# Allegro board 6089-119-RevB_08.brd (continued)
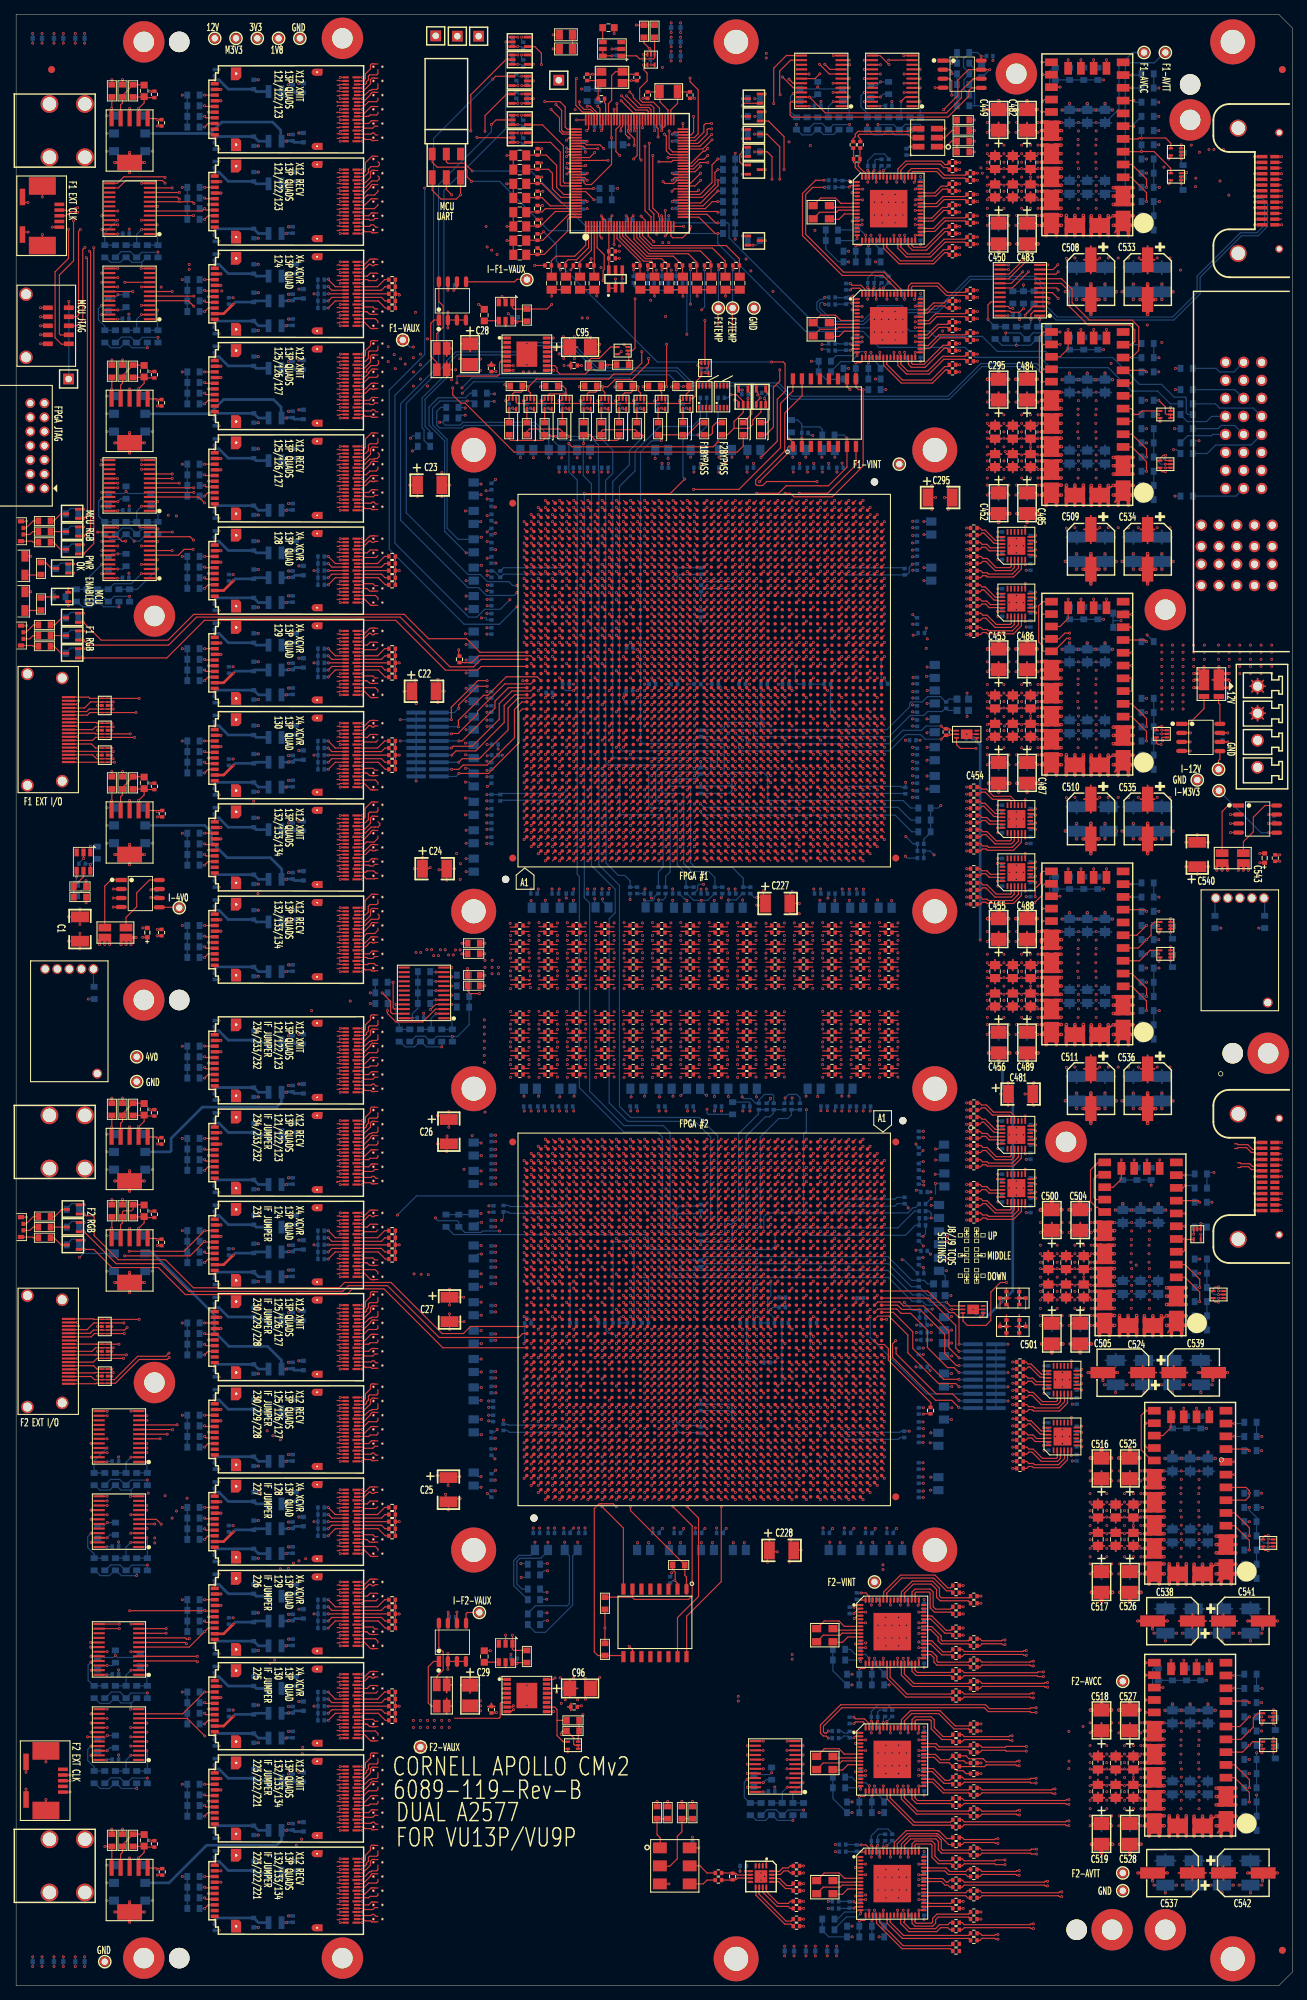
[diagram p0: board, top side]
## Routing (per net, layer and track width the routed paths; a pad name or vN(x,y) marks a point on that pad's centre or on a via; arc(x,y) is an arc through that point) (continued)
NF1_I_RECV3: length 20.6
  TOP w0.165: U75.C5 73.61,162.51 ; 73.69,146.06 74.39,146.06 C61.1
  SIG4 w0.083: 73.61,162.51 73.61,162.79 arc(73.56,162.9) 73.45,162.95 73.3,162.95 arc(73.23,162.92) 73.2,162.85 73.2,153.77 arc(73.42,152.64) 74.06,151.69 74.53,151.22 arc(74.92,150.63) 75.06,149.94 75.06,146.96 arc(74.87,146.49) 74.4,146.3 74.25,146.3 arc(73.95,146.24) 73.7,146.07 73.69,146.06
NF1_I_XMIT0: length 42.4
  TOP w0.165: 73.69,129.23 74.38,129.23 C72.2 ; U75.D8 74.61,165.51
  SIG3 w0.083: 73.69,129.23 73.9,129.02 arc(73.92,129.01) 73.95,129 74.7,129 arc(75.44,129.3) 75.74,130.04 75.74,153.89 arc(75.8,154.16) 75.95,154.4 arc(75.96,154.4) 75.96,154.41 arc(75.99,154.46) 76,154.51 arc(76,154.6) 76.02,154.68 arc(76.04,154.76) 76.04,154.83 76.04,155.41 75.87,155.58 75.7,155.75 75.7,156.08 75.87,156.25 76.04,156.42 76.04,156.75 75.87,156.92 75.7,157.09 75.7,157.42 75.87,157.59 76.04,157.76 76.04,165.7 arc(75.97,165.87) 75.8,165.94 74.95,165.94 arc(74.71,165.84) 74.61,165.6 74.61,165.51
NF1_I_XMIT1: length 39.3
  TOP w0.165: 73.69,131.73 74.38,131.73 C70.2 ; U75.B8 72.61,165.51
  SIG3 w0.083: 73.69,131.73 73.9,131.52 arc(73.92,131.51) 73.95,131.5 74.25,131.5 arc(74.84,131.75) 75.09,132.34 75.09,152.99 arc(74.95,153.84) 74.54,154.59 arc(74.13,155.34) 73.99,156.19 73.99,156.58 73.82,156.75 73.65,156.92 73.65,157.25 73.82,157.42 73.99,157.59 73.99,157.92 73.82,158.09 73.65,158.26 73.65,158.59 73.82,158.76 73.99,158.93 73.99,165.75 arc(73.93,165.88) 73.8,165.94 73.05,165.94 arc(73.04,165.94) 73.03,165.93 72.61,165.51
NF1_I_XMIT2: length 38.8
  TOP w0.165: U75.C10 73.61,167.51 ; 73.69,133.56 74.39,133.56 C69.2
  SIG3 w0.083: 73.61,167.51 73.61,167.63 arc(73.53,167.81) 73.35,167.89 arc(73.25,167.85) 73.21,167.75 73.21,167.36 arc(73.07,167.01) 72.74,166.85 arc(72.7,166.85) 72.65,166.85 arc(72.51,166.84) 72.39,166.77 arc(72.36,166.76) 72.34,166.74 arc(72.32,166.73) 72.31,166.71 arc(72.23,166.59) 72.2,166.45 72.2,154.63 arc(72.24,154.42) 72.36,154.24 74.24,152.36 arc(74.62,151.79) 74.75,151.13 74.75,134.24 arc(74.62,133.92) 74.3,133.79 73.87,133.79 arc(73.81,133.77) 73.79,133.71 73.79,133.65 arc(73.76,133.59) 73.7,133.56 73.69,133.56
NF1_I_XMIT3: length 40.8
  TOP w0.165: 73.69,136.06 74.39,136.06 C67.2 ; U75.E10 75.61,167.51
  SIG3 w0.083: 75.61,167.51 75.61,167.69 arc(75.55,167.84) 75.4,167.9 arc(75.12,168.02) 75,168.3 75,168.6 arc(74.91,168.81) 74.7,168.9 72.28,168.9 arc(72.22,168.88) 72.2,168.82 72.2,167.4 arc(72.2,167.34) 72.18,167.27 arc(72.14,167.17) 72.06,167.08 arc(72.03,167.06) 71.99,167.03 arc(71.98,167.01) 71.97,167 arc(71.91,166.95) 71.83,166.92 arc(71.77,166.9) 71.7,166.9 71.46,166.9 arc(71.21,166.8) 71.11,166.55 71.11,154.89 arc(71.31,153.87) 71.88,153.02 72.74,152.16 arc(73.12,151.59) 73.25,150.93 73.25,139.56 arc(73.29,139.37) 73.4,139.2 73.81,138.79 arc(74.17,138.25) 74.3,137.6 74.3,136.64 arc(74.2,136.39) 73.95,136.29 73.87,136.29 arc(73.81,136.27) 73.79,136.21 73.79,136.15 arc(73.76,136.09) 73.7,136.06 73.69,136.06
NF1_J_RECV0: length 25.7
  TOP w0.165: 69.69,141.06 70.39,141.06 C49.1 ; U75.A5 71.61,162.51
  SIG4 w0.083: 69.69,141.06 69.79,141.16 arc(69.93,141.26) 70.1,141.29 70.58,141.29 arc(71.05,141.38) 71.45,141.65 arc(71.56,141.82) 71.6,142.02 71.6,156.52 arc(71.48,157.1) 71.16,157.59 arc(71.05,157.76) 71.01,157.95 71.01,162.81 arc(71.04,162.87) 71.1,162.9 71.39,162.9 arc(71.41,162.9) 71.42,162.9 arc(71.55,162.83) 71.61,162.68 71.61,162.51
NF1_J_RECV1: length 42
  TOP w0.165: U75.A19 71.61,176.51 ; 69.69,143.56 70.39,143.56 C47.1
  SIG4 w0.083: 71.61,176.51 71.61,176.7 arc(71.66,176.83) 71.8,176.89 arc(72.08,177.01) 72.2,177.29 72.2,177.6 arc(72.05,177.95) 71.7,178.1 71.22,178.1 arc(70.56,177.97) 70,177.59 67.81,175.41 arc(67.35,174.72) 67.19,173.91 67.19,146.01 arc(67.33,145.32) 67.72,144.73 68.66,143.79 arc(68.76,143.72) 68.88,143.7 69.37,143.7 arc(69.54,143.66) 69.69,143.56
NF1_J_RECV2: length 34
  TOP w0.165: 69.69,146.06 70.39,146.06 C45.1 ; U75.B17 72.61,174.51
  SIG4 w0.083: 69.69,146.06 69.9,146.27 arc(69.92,146.28) 69.95,146.29 70.25,146.29 arc(70.79,146.51) 71.01,147.05 71.01,156.14 arc(70.89,156.74) 70.55,157.25 70.46,157.34 arc(70.12,157.85) 70,158.46 70,174.35 arc(70.16,174.74) 70.55,174.9 72.1,174.9 arc(72.21,174.88) 72.3,174.82 72.61,174.51
NF1_J_RECV3: length 34.5
  TOP w0.165: 69.69,148.56 70.39,148.56 C43.1 ; U75.C19 73.61,176.51
  SIG4 w0.083: 69.69,148.56 69.86,148.73 arc(69.93,148.78) 70,148.79 70.21,148.79 arc(70.41,148.88) 70.5,149.08 70.5,155.52 arc(70.38,156.1) 70.06,156.59 69.81,156.84 arc(69.28,157.64) 69.09,158.57 69.09,164.29 69.2,164.4 69.2,164.73 69.09,164.84 69.09,165.18 69.2,165.29 69.2,165.62 69.09,165.73 69.09,173.57 arc(69.26,174.42) 69.74,175.14 70.07,175.47 arc(70.59,175.82) 71.21,175.94 72.8,175.94 arc(73.08,176.06) 73.2,176.34 73.2,176.7 arc(73.26,176.84) 73.4,176.9 73.5,176.9 arc(73.58,176.87) 73.61,176.79 73.61,176.51
NF1_J_XMIT0: length 44.4
  TOP w0.165: C57.2 70.39,128.56 69.69,128.56 ; U75.A10 71.61,167.51
  SIG3 w0.083: 71.61,167.51 71.61,167.54 arc(71.5,167.79) 71.25,167.9 70.75,167.9 arc(70.33,167.72) 70.15,167.3 70.15,154.57 arc(70.36,153.54) 70.94,152.66 71.37,152.23 arc(71.8,151.59) 71.95,150.83 71.95,133.66 arc(71.95,133.64) 71.95,133.61 arc(71.95,133.59) 71.95,133.57 arc(71.95,133.54) 71.95,133.51 71.95,130.04 arc(71.58,129.16) 70.7,128.79 69.95,128.79 arc(69.92,128.78) 69.9,128.77 69.69,128.56
NF1_J_XMIT1: length 45.8
  TOP w0.165: C55.2 70.39,131.06 69.69,131.06 ; U75.B12 72.61,169.51
  SIG3 w0.083: 69.69,131.06 69.9,131.27 arc(69.92,131.28) 69.95,131.29 70.25,131.29 arc(70.99,131.6) 71.3,132.34 71.3,150.12 arc(71.16,150.84) 70.75,151.45 69.31,152.89 arc(68.5,154.11) 68.21,155.55 68.21,156.21 arc(68.3,156.67) 68.56,157.06 68.74,157.24 arc(69.08,157.75) 69.2,158.35 69.2,168.85 arc(69.52,169.63) 70.3,169.95 72.05,169.95 arc(72.16,169.93) 72.25,169.87 72.61,169.51
NF1_J_XMIT2: length 43
  TOP w0.165: 69.69,136.06 70.39,136.06 C51.2 ; U75.A14 71.61,171.51
  SIG3 w0.083: 69.69,136.06 69.7,136.06 arc(69.76,136.09) 69.79,136.15 69.79,136.21 arc(69.81,136.27) 69.87,136.29 69.95,136.29 arc(70.2,136.39) 70.3,136.64 70.3,137.6 arc(70.17,138.25) 69.81,138.79 69.4,139.2 arc(69.29,139.37) 69.25,139.56 69.25,149.52 arc(69.11,150.24) 68.7,150.85 67.37,152.18 arc(66.84,152.98) 66.65,153.93 66.65,157.31 66.65,157.55 arc(66.67,157.64) 66.72,157.72 66.82,157.82 arc(67.03,158.13) 67.1,158.5 67.1,170.3 arc(67.57,171.43) 68.7,171.9 71.2,171.9 arc(71.22,171.9) 71.23,171.89 71.61,171.51
NF1_J_XMIT3: length 46.4
  TOP w0.165: U75.C14 73.61,171.51 ; C53.2 70.39,133.56 69.69,133.56
  SIG3 w0.083: 69.69,133.56 69.9,133.77 arc(69.92,133.78) 69.95,133.79 70.1,133.79 arc(70.59,134) 70.8,134.49 70.8,139.43 arc(70.8,139.49) 70.79,139.55 arc(70.71,139.81) 70.58,140.04 arc(70.38,140.47) 70.31,140.94 70.31,149.98 arc(70.18,150.64) 69.81,151.19 68.24,152.76 arc(67.66,153.64) 67.45,154.67 67.45,156.62 arc(67.53,157.02) 67.76,157.36 67.77,157.37 arc(68.05,157.79) 68.15,158.3 68.15,169.35 arc(68.6,170.45) 69.7,170.9 71.8,170.9 arc(72.08,171.02) 72.2,171.3 72.2,171.55 arc(72.3,171.8) 72.55,171.9 73.15,171.9 arc(73.21,171.89) 73.26,171.85 73.61,171.51
NF1_M_RECV0: length 36.9
  TOP w0.165: 121.69,144.23 122.38,144.23 C283.1 ; U75.BK17 121.39,174.51
  SIG4 w0.083: 121.39,174.51 121.39,174.82 arc(121.42,174.88) 121.47,174.9 122.98,174.9 arc(123.18,174.86) 123.35,174.75 arc(123.68,174.26) 123.79,173.69 123.79,161.96 123.7,161.87 123.7,161.54 123.79,161.45 123.79,161.12 123.7,161.03 123.7,160.7 123.79,160.61 123.79,160.28 123.7,160.19 123.7,159.86 123.79,159.77 123.79,159.44 123.7,159.35 123.7,159.02 123.79,158.93 123.79,158.6 123.7,158.51 123.7,158.18 123.79,158.09 123.79,157.76 123.7,157.67 123.7,157.34 123.79,157.25 123.79,156.91 123.7,156.82 123.7,156.49 123.79,156.4 123.79,156.07 123.7,155.98 123.7,155.65 123.79,155.56 123.79,152.46 arc(123.71,152.02) 123.49,151.63 arc(123.29,151.28) 123.2,150.88 123.2,144.35 arc(123.1,144.1) 122.85,144 121.95,144 arc(121.92,144.01) 121.9,144.02 121.69,144.23
NF1_M_RECV1: length 41.9
  TOP w0.165: C285.1 122.38,141.73 121.69,141.73 ; U75.BL19 122.39,176.51
  SIG4 w0.083: 121.69,141.73 121.9,141.52 arc(121.92,141.51) 121.95,141.5 123.05,141.5 arc(123.51,141.69) 123.7,142.15 123.7,149.56 arc(123.81,150.1) 124.11,150.56 124.46,150.91 arc(124.71,151.27) 124.79,151.7 124.79,156.01 124.7,156.1 124.7,156.43 124.79,156.52 124.79,156.85 124.7,156.94 124.7,157.27 124.79,157.36 124.79,157.69 124.7,157.78 124.7,158.12 124.79,158.21 124.79,158.54 124.7,158.63 124.7,158.96 124.79,159.05 124.79,159.38 124.7,159.47 124.7,159.8 124.79,159.89 124.79,160.22 124.7,160.31 124.7,160.64 124.79,160.73 124.79,161.06 124.7,161.15 124.7,161.48 124.79,161.57 124.79,161.9 124.7,161.99 124.7,162.32 124.79,162.41 124.79,162.74 124.7,162.83 124.7,163.16 124.79,163.25 124.79,175.56 arc(124.4,176.51) 123.45,176.9 122.47,176.9 arc(122.42,176.88) 122.39,176.82 122.39,176.51
NF1_M_RECV2: length 20.1
  TOP w0.165: 121.69,146.73 122.38,146.73 C281.1 ; U75.BL5 122.39,162.51
  SIG4 w0.083: 122.39,162.51 122.39,162.82 arc(122.42,162.88) 122.47,162.9 122.56,162.9 arc(122.83,162.79) 122.95,162.51 122.95,160.65 122.8,160.5 122.8,160.17 122.95,160.02 122.95,159.69 122.8,159.54 122.8,159.21 122.95,159.06 122.95,158.73 122.8,158.58 122.8,158.25 122.95,158.1 122.95,157.77 122.8,157.62 122.8,157.29 122.95,157.14 122.95,156.81 122.8,156.66 122.8,156.33 122.95,156.18 122.95,153.56 arc(122.93,153.47) 122.89,153.39 122.88,153.39 arc(122.87,153.37) 122.86,153.35 122.81,153.29 arc(122.72,153.11) 122.66,152.91 arc(122.65,152.85) 122.65,152.79 122.65,147.11 arc(122.47,146.68) 122.04,146.5 121.95,146.5 arc(121.92,146.51) 121.9,146.52 121.69,146.73
NF1_M_RECV3: length 18.3
  TOP w0.165: C279.1 122.38,149.23 121.7,149.23 ; U75.BJ5 120.39,162.51
  SIG4 w0.083: 120.39,162.51 120.39,162.82 arc(120.42,162.88) 120.47,162.9 121.6,162.9 arc(121.74,162.85) 121.8,162.7 121.8,160.85 arc(121.8,160.8) 121.82,160.76 arc(121.83,160.72) 121.84,160.68 121.84,160 121.7,159.87 121.7,159.54 121.84,159.4 121.84,159.07 121.7,158.93 121.7,158.6 121.84,158.47 121.84,158.14 121.7,158 121.7,157.67 121.84,157.54 121.84,157.21 121.7,157.07 121.7,156.74 121.84,156.6 121.84,156.27 121.7,156.14 121.7,155.81 121.84,155.67 121.84,155.34 121.7,155.21 121.7,154.88 121.84,154.74 121.84,151.65 arc(121.88,151.44) 122,151.25 arc(122.1,151.1) 122.14,150.92 122.14,149.19 arc(122.09,149.06) 121.95,149 121.87,149 arc(121.81,149.02) 121.79,149.08 121.79,149.14 arc(121.76,149.2) 121.7,149.23
NF1_M_XMIT0: length 49
  TOP w0.165: U75.BL14 122.39,171.51 ; 121.69,129.23 122.38,129.23 C293.2
  SIG3 w0.083: 122.39,171.51 122.39,171.82 arc(122.42,171.88) 122.47,171.9 123.2,171.9 arc(123.84,171.64) 124.1,171 124.1,170.5 arc(124.17,170.13) 124.38,169.82 124.53,169.67 arc(124.68,169.44) 124.74,169.16 124.74,167.24 124.65,167.15 124.65,166.82 124.74,166.73 124.74,166.4 124.65,166.31 124.65,165.98 124.74,165.89 124.74,165.56 124.65,165.47 124.65,165.14 124.74,165.05 124.74,164.72 124.65,164.63 124.65,164.3 124.74,164.21 124.74,163.88 124.65,163.79 124.65,163.46 124.74,163.36 124.74,163.03 124.65,162.94 124.65,162.61 124.74,162.52 124.74,162.19 124.65,162.1 124.65,161.77 124.74,161.68 124.74,161.35 124.65,161.26 124.65,160.93 124.74,160.84 124.74,151.82 arc(124.62,151.24) 124.29,150.74 124.03,150.48 arc(123.78,150.1) 123.69,149.65 123.69,129.59 arc(123.52,129.17) 123.1,129 121.95,129 arc(121.92,129.01) 121.9,129.02 121.69,129.23
NF1_M_XMIT1: length 43.9
  TOP w0.165: 121.69,131.73 122.38,131.73 C291.2 ; U75.BK12 121.39,169.51
  SIG3 w0.083: 121.39,169.51 121.8,169.92 arc(121.83,169.94) 121.85,169.94 122.2,169.94 arc(123.36,169.46) 123.84,168.3 123.84,166.3 123.75,166.21 123.75,165.88 123.84,165.79 123.84,165.46 123.75,165.37 123.75,165.04 123.84,164.95 123.84,164.62 123.75,164.53 123.75,164.2 123.84,164.11 123.84,163.78 123.75,163.69 123.75,163.36 123.84,163.27 123.84,162.94 123.75,162.85 123.75,162.52 123.84,162.43 123.84,162.1 123.75,162.01 123.75,161.68 123.84,161.59 123.84,161.26 123.75,161.17 123.75,160.84 123.84,160.74 123.84,160.41 123.75,160.32 123.75,159.99 123.84,159.9 123.84,159.57 123.75,159.48 123.75,159.15 123.84,159.06 123.84,152.29 arc(123.74,151.72) 123.44,151.23 arc(123.16,150.78) 123.04,150.25 123.04,132.14 arc(122.85,131.69) 122.4,131.5 121.95,131.5 arc(121.92,131.51) 121.9,131.52 121.69,131.73
NF1_M_XMIT2: length 37.6
  TOP w0.165: C289.2 122.38,134.23 121.69,134.23 ; U75.BL10 122.39,167.51
  SIG3 w0.083: 121.7,134.23 121.69,134.23 121.9,134.02 arc(121.92,134.01) 121.95,134 122.1,134 arc(122.38,134.11) 122.49,134.39 122.49,152.67 arc(122.5,152.75) 122.52,152.83 122.6,153.03 arc(122.66,153.13) 122.72,153.23 arc(122.85,153.46) 122.9,153.73 122.9,154.78 122.8,154.88 122.8,155.21 122.9,155.31 122.9,155.64 122.8,155.74 122.8,156.07 122.9,156.17 122.9,156.5 122.8,156.6 122.8,156.93 122.9,157.03 122.9,157.36 122.8,157.46 122.8,157.79 122.9,157.89 122.9,158.22 122.8,158.32 122.8,158.65 122.9,158.75 122.9,159.08 122.8,159.18 122.8,159.51 122.9,159.61 122.9,159.94 122.8,160.04 122.8,160.37 122.9,160.47 122.9,160.8 122.8,160.9 122.8,161.23 122.9,161.33 122.9,167.56 arc(122.8,167.8) 122.56,167.9 122.47,167.9 arc(122.42,167.88) 122.39,167.82 122.39,167.51
NF1_M_XMIT3: length 33.2
  TOP w0.165: U75.BK8 121.39,165.51 ; 121.7,136.73 122.38,136.73 C287.2
  SIG3 w0.083: 121.39,165.51 121.39,165.82 arc(121.42,165.88) 121.47,165.9 121.56,165.9 arc(121.73,165.83) 121.8,165.66 121.8,159.61 121.65,159.46 121.65,159.13 121.8,158.98 121.8,158.65 121.65,158.5 121.65,158.17 121.8,158.02 121.8,157.69 121.65,157.54 121.65,157.21 121.8,157.06 121.8,156.73 121.65,156.58 121.65,156.25 121.8,156.1 121.8,155.77 121.65,155.62 121.65,155.29 121.8,155.14 121.8,154.81 121.65,154.66 121.65,154.33 121.8,154.18 121.8,152.27 arc(121.72,151.88) 121.5,151.55 121.39,151.44 arc(121.17,151.11) 121.09,150.72 121.09,139.4 arc(121.17,139) 121.4,138.65 121.86,138.19 arc(122,137.99) 122.05,137.75 122.05,136.82 arc(122,136.64) 121.87,136.5 arc(121.86,136.5) 121.85,136.5 arc(121.81,136.53) 121.79,136.58 121.79,136.64 arc(121.76,136.7) 121.7,136.73
NF1_N_RECV0: length 25.4
  TOP w0.165: C269.1 118.38,141.73 117.69,141.73 ; U75.BH3 119.39,160.51
  SIG4 w0.083: 117.69,141.73 117.9,141.52 arc(117.92,141.51) 117.95,141.5 119.15,141.5 arc(119.43,141.61) 119.54,141.89 119.54,149.09 arc(119.68,149.78) 120.07,150.37 120.58,150.88 arc(120.73,151.11) 120.79,151.39 120.79,153.91 120.65,154.05 120.65,154.38 120.79,154.52 120.79,154.85 120.65,154.99 120.65,155.32 120.79,155.46 120.79,155.79 120.65,155.93 120.65,156.26 120.79,156.4 120.79,156.73 120.65,156.87 120.65,157.2 120.79,157.34 120.79,157.68 120.65,157.82 120.65,158.15 120.79,158.29 120.79,158.62 120.65,158.76 120.65,159.09 120.79,159.23 120.79,160.71 arc(120.73,160.85) 120.6,160.9 119.47,160.9 arc(119.42,160.88) 119.39,160.82 119.39,160.51
NF1_N_RECV1: length 16
  TOP w0.165: 117.69,146.73 118.38,146.73 C265.1 ; U75.BG1 118.39,158.51
  SIG4 w0.083: 118.39,158.51 118.39,158.82 arc(118.42,158.88) 118.47,158.9 118.56,158.9 arc(118.72,158.84) 118.79,158.67 118.79,157.99 118.67,157.87 118.55,157.75 118.55,157.42 118.67,157.3 118.79,157.18 118.79,156.85 118.67,156.73 118.55,156.61 118.55,156.28 118.67,156.16 118.79,156.04 118.79,155.71 118.67,155.59 118.55,155.47 118.55,155.14 118.67,155.02 118.79,154.9 118.79,153.24 arc(118.77,153.01) 118.73,152.79 arc(118.67,152.5) 118.65,152.21 118.65,147 arc(118.5,146.65) 118.15,146.5 117.95,146.5 arc(117.92,146.51) 117.9,146.52 117.69,146.73
NF1_N_RECV2: length 23.6
  TOP w0.165: 117.69,144.23 118.38,144.23 C267.1 ; U75.BG5 118.39,162.51
  SIG4 w0.083: 118.39,162.51 118.39,162.82 arc(118.42,162.88) 118.47,162.9 118.56,162.9 arc(118.72,162.84) 118.79,162.67 118.79,160.4 arc(118.94,160.04) 119.3,159.89 119.6,159.89 arc(119.74,159.83) 119.8,159.69 119.8,158.2 119.55,157.95 119.55,157.62 119.8,157.37 119.8,157.04 119.55,156.79 119.55,156.46 119.8,156.21 119.8,155.88 119.55,155.63 119.55,155.3 119.8,155.05 119.8,151.53 119.8,151.53 arc(119.73,151.18) 119.53,150.88 119.49,150.83 arc(119.19,150.4) 119.09,149.88 119.09,144.94 arc(118.82,144.28) 118.15,144 117.95,144 arc(117.92,144.01) 117.9,144.02 117.69,144.23
NF1_N_RECV3: length 15.3
  TOP w0.165: C263.1 118.38,149.23 117.7,149.23 ; U75.BF3 117.39,160.51
  SIG4 w0.083: 117.39,160.51 117.39,160.82 arc(117.42,160.88) 117.47,160.9 117.56,160.9 arc(117.73,160.83) 117.8,160.66 117.8,158.19 117.55,157.94 117.55,157.61 117.8,157.36 117.8,157.03 117.55,156.78 117.55,156.45 117.8,156.2 117.8,155.87 117.55,155.62 117.55,155.29 117.8,155.04 117.8,152.38 arc(117.86,152.08) 118.02,151.83 arc(118.05,151.79) 118.07,151.76 arc(118.12,151.64) 118.14,151.51 118.14,149.19 arc(118.09,149.06) 117.95,149 117.87,149 arc(117.81,149.02) 117.79,149.08 117.79,149.14 arc(117.76,149.2) 117.7,149.23
NF1_N_XMIT0: length 37.5
  TOP w0.165: C273.2 118.38,134.23 117.7,134.23 ; U75.BG10 118.39,167.51
  SIG3 w0.083: 118.39,167.51 118.39,167.82 arc(118.42,167.88) 118.47,167.9 118.56,167.9 arc(118.73,167.83) 118.8,167.66 118.8,158.32 118.7,158.22 118.7,157.89 118.8,157.79 118.8,157.46 118.7,157.36 118.7,157.03 118.8,156.93 118.8,156.6 118.7,156.5 118.7,156.17 118.8,156.07 118.8,155.74 118.7,155.64 118.7,155.31 118.8,155.21 118.8,154.23 118.6,154.03 118.6,153.7 118.8,153.5 118.8,153.17 118.6,152.97 118.6,152.64 118.8,152.44 118.8,151.45 118.49,151.14 118.49,134.45 arc(118.36,134.13) 118.04,134 117.96,134 arc(117.93,134) 117.9,134.02 117.7,134.23
NF1_N_XMIT1: length 43.5
  TOP w0.165: U75.BJ10 120.39,167.51 ; 117.7,129.23 118.38,129.23 C277.2
  SIG3 w0.083: 117.7,129.23 117.9,129.02 arc(117.93,129) 117.96,129 118.04,129 arc(119.21,129.48) 119.7,130.66 119.7,150.45 120.8,151.55 120.8,152.69 120.7,152.79 120.7,153.12 120.8,153.22 120.8,153.55 120.7,153.65 120.7,153.98 120.8,154.08 120.8,154.41 120.7,154.51 120.7,154.84 120.8,154.94 120.8,155.27 120.7,155.37 120.7,155.7 120.8,155.8 120.8,156.13 120.7,156.23 120.7,156.56 120.8,156.66 120.8,156.99 120.7,157.09 120.7,157.42 120.8,157.52 120.8,157.85 120.7,157.95 120.7,158.28 120.8,158.38 120.8,158.71 120.7,158.81 120.7,159.14 120.8,159.24 120.8,167.66 arc(120.73,167.83) 120.56,167.9 120.47,167.9 arc(120.42,167.88) 120.39,167.82 120.39,167.51
NF1_N_XMIT2: length 38.5
  TOP w0.165: C275.2 118.38,131.73 117.7,131.73 ; U75.BH8 119.39,165.51
  SIG3 w0.083: 117.7,131.73 117.9,131.52 arc(117.93,131.5) 117.96,131.5 118.04,131.5 arc(118.79,131.81) 119.1,132.56 119.1,150.85 119.8,151.55 119.8,153.73 119.7,153.83 119.7,154.16 119.8,154.26 119.8,155.31 119.6,155.51 119.6,155.84 119.8,156.04 119.8,156.37 119.6,156.57 119.6,156.9 119.8,157.1 119.8,157.43 119.6,157.63 119.6,157.96 119.8,158.16 119.8,165.66 arc(119.73,165.83) 119.56,165.9 119.47,165.9 arc(119.42,165.88) 119.39,165.82 119.39,165.51
NF1_N_XMIT3: length 33.1
  TOP w0.165: C271.2 118.38,136.73 117.7,136.73 ; U75.BF8 117.39,165.51
  SIG3 w0.083: 117.39,165.51 117.39,165.82 arc(117.42,165.88) 117.47,165.9 117.56,165.9 arc(117.73,165.83) 117.8,165.66 117.8,158.23 117.6,158.03 117.6,157.7 117.8,157.5 117.8,157.17 117.6,156.97 117.6,156.64 117.8,156.44 117.8,156.11 117.6,155.91 117.6,155.58 117.8,155.38 117.8,154.22 117.65,154.07 117.65,153.74 117.8,153.59 117.8,152.3 arc(117.74,151.98) 117.55,151.7 117.35,151.5 arc(117.16,151.21) 117.09,150.88 117.09,139.4 arc(117.17,139) 117.4,138.65 117.86,138.19 arc(118,137.99) 118.05,137.75 118.05,136.82 arc(118,136.64) 117.87,136.5 arc(117.86,136.5) 117.85,136.5 arc(117.81,136.53) 117.79,136.58 117.79,136.64 arc(117.76,136.7) 117.7,136.73
NF1_O_RECV0: length 22.3
  TOP w0.165: U75.BE1 116.39,158.51 ; 113.69,141.73 114.38,141.73 C251.1
  SIG4 w0.083: 116.39,158.51 116.39,158.82 arc(116.42,158.88) 116.47,158.9 116.56,158.9 arc(116.72,158.84) 116.79,158.67 116.79,158.11 116.6,157.92 116.6,157.59 116.79,157.4 116.79,157.07 116.6,156.88 116.6,156.55 116.79,156.36 116.79,156.03 116.6,155.84 116.6,155.51 116.79,155.32 116.79,154.17 116.6,153.98 116.6,153.65 116.79,153.46 116.79,152.14 arc(116.62,151.31) 116.15,150.6 arc(115.81,150.09) 115.69,149.48 115.69,141.9 arc(115.58,141.62) 115.3,141.51 114.22,141.51 arc(113.93,141.57) 113.69,141.73
NF1_O_RECV1: length 21.2
  TOP w0.165: C249.1 114.38,144.23 113.69,144.23 ; U75.BD3 115.39,160.51
  SIG4 w0.083: 113.69,144.23 113.71,144.21 arc(113.93,144.06) 114.2,144.01 115.1,144.01 arc(115.16,144.04) 115.19,144.1 115.19,149.17 arc(115.29,149.94) 115.57,150.66 arc(115.57,150.66) 115.57,150.66 115.57,150.67 arc(115.57,150.67) 115.58,150.67 arc(115.58,150.67) 115.58,150.67 arc(115.58,150.67) 115.58,150.67 arc(115.74,151.07) 115.79,151.5 115.79,153.79 115.65,153.93 115.65,154.26 115.79,154.4 115.79,154.73 115.65,154.87 115.65,155.2 115.79,155.34 115.79,155.67 115.65,155.81 115.65,156.14 115.79,156.28 115.79,156.61 115.65,156.75 115.65,157.08 115.79,157.22 115.79,157.55 115.65,157.69 115.65,158.02 115.79,158.16 115.79,160.67 arc(115.72,160.84) 115.56,160.9 115.47,160.9 arc(115.42,160.88) 115.39,160.82 115.39,160.51
NF1_O_RECV2: length 16
  TOP w0.165: 113.69,146.73 114.38,146.73 C247.1 ; U75.BC1 114.39,158.51
  SIG4 w0.083: 114.39,158.51 114.39,158.82 arc(114.42,158.88) 114.47,158.9 114.56,158.9 arc(114.72,158.84) 114.79,158.67 114.79,157.95 114.6,157.76 114.6,157.43 114.79,157.24 114.79,156.91 114.6,156.72 114.6,156.39 114.79,156.2 114.79,155.87 114.6,155.68 114.6,155.35 114.79,155.16 114.79,154.83 114.6,154.64 114.6,154.31 114.79,154.11 114.79,150.41 arc(114.77,150.31) 114.72,150.21 arc(114.67,150.12) 114.65,150.01 114.65,147.13 arc(114.6,146.87) 114.45,146.65 arc(114.3,146.55) 114.12,146.51 arc(113.93,146.55) 113.76,146.66 113.69,146.73
NF1_O_RECV3: length 15.3
  TOP w0.165: 113.7,149.23 114.38,149.23 C245.1 ; U75.BB3 113.39,160.51
  SIG4 w0.083: 113.39,160.51 113.39,160.82 arc(113.42,160.88) 113.47,160.9 113.56,160.9 arc(113.72,160.84) 113.79,160.67 113.79,157.81 113.65,157.67 113.65,157.34 113.79,157.2 113.79,156.87 113.65,156.73 113.65,156.4 113.79,156.26 113.79,155.93 113.65,155.79 113.65,155.46 113.79,155.31 113.79,154.1 113.65,153.96 113.65,153.63 113.79,153.49 113.79,153.16 113.65,153.02 113.65,152.69 113.79,152.55 113.79,152.22 113.65,152.08 113.65,151.75 113.79,151.61 113.79,150.68 arc(113.86,150.34) 114.05,150.05 arc(114.08,150.01) 114.09,149.96 114.09,149.1 arc(114.06,149.04) 114,149.01 arc(113.93,149.02) 113.86,149.07 113.7,149.23 113.7,149.17
NF1_O_XMIT0: length 39.8
  TOP w0.165: 113.69,129.23 114.38,129.23 C259.2 ; U75.BE6 116.39,163.51
  SIG3 w0.083: 116.39,163.51 116.39,163.82 arc(116.42,163.88) 116.47,163.9 116.56,163.9 arc(116.73,163.83) 116.8,163.66 116.8,158.32 116.7,158.22 116.7,157.89 116.8,157.79 116.8,157.46 116.7,157.36 116.7,157.03 116.8,156.93 116.8,156.6 116.7,156.5 116.7,156.17 116.8,156.07 116.8,155.74 116.7,155.64 116.7,155.31 116.8,155.21 116.8,152.23 arc(116.68,151.64) 116.35,151.15 116,150.8 arc(115.77,150.45) 115.69,150.05 115.69,131.41 115.55,131.27 115.55,130.94 115.69,130.8 115.69,130.47 115.55,130.33 115.55,130 115.69,129.86 115.69,129.59 arc(115.52,129.17) 115.1,129 113.95,129 arc(113.92,129.01) 113.9,129.02 113.69,129.23
NF1_O_XMIT1: length 38.6
  TOP w0.165: U75.BD8 115.39,165.51 ; C257.2 114.38,131.73 113.69,131.73
  SIG3 w0.083: 113.69,131.73 113.9,131.52 arc(113.92,131.51) 113.95,131.5 114.4,131.5 arc(114.85,131.69) 115.04,132.14 115.04,150.75 arc(115.13,151.2) 115.38,151.58 115.6,151.8 arc(115.75,152.02) 115.8,152.28 115.8,153.73 115.65,153.88 115.65,154.21 115.8,154.36 115.8,154.69 115.65,154.84 115.65,155.17 115.8,155.32 115.8,155.65 115.65,155.8 115.65,156.13 115.8,156.28 115.8,156.61 115.65,156.76 115.65,157.09 115.8,157.24 115.8,157.57 115.65,157.72 115.65,158.05 115.8,158.2 115.8,165.66 arc(115.73,165.83) 115.56,165.9 115.47,165.9 arc(115.42,165.88) 115.39,165.82 115.39,165.51
NF1_O_XMIT2: length 33.5
  TOP w0.165: 113.7,134.23 114.38,134.23 C255.2 ; U75.BC6 114.39,163.51
  SIG3 w0.083: 114.39,163.51 114.39,163.82 arc(114.42,163.88) 114.47,163.9 114.56,163.9 arc(114.73,163.83) 114.8,163.66 114.8,158.22 114.65,158.07 114.65,157.74 114.8,157.59 114.8,157.26 114.65,157.11 114.65,156.78 114.8,156.63 114.8,156.3 114.65,156.15 114.65,155.82 114.8,155.67 114.8,155.34 114.65,155.19 114.65,154.86 114.8,154.71 114.8,154.38 114.65,154.23 114.65,153.9 114.8,153.75 114.8,152.43 arc(114.75,152.17) 114.6,151.95 arc(114.52,151.82) 114.49,151.68 114.49,134.39 arc(114.38,134.11) 114.1,134 113.95,134 arc(113.92,134.01) 113.9,134.02 113.69,134.23 113.7,134.23
NF1_O_XMIT3: length 33.1
  TOP w0.165: U75.BB8 113.39,165.51 ; C253.2 114.38,136.73 113.7,136.73
  SIG3 w0.083: 113.39,165.51 113.39,165.82 arc(113.42,165.88) 113.47,165.9 113.56,165.9 arc(113.69,165.85) 113.74,165.72 113.74,158.08 113.55,157.89 113.55,157.56 113.74,157.37 113.74,157.04 113.55,156.85 113.55,156.52 113.74,156.33 113.74,156 113.55,155.81 113.55,155.48 113.74,155.29 113.74,154.19 113.6,154.04 113.45,153.9 113.45,153.57 113.6,153.42 113.74,153.28 113.74,152.55 arc(113.66,152.1) 113.42,151.71 113.41,151.7 arc(113.17,151.32) 113.09,150.88 113.09,139.4 arc(113.17,139) 113.4,138.65 113.86,138.19 arc(114,137.99) 114.05,137.75 114.05,136.82 arc(114,136.64) 113.87,136.5 arc(113.86,136.5) 113.85,136.5 arc(113.81,136.53) 113.79,136.58 113.79,136.64 arc(113.76,136.7) 113.7,136.73